# KiCad board JumperlessV5r8.kicad_pcb (continued)
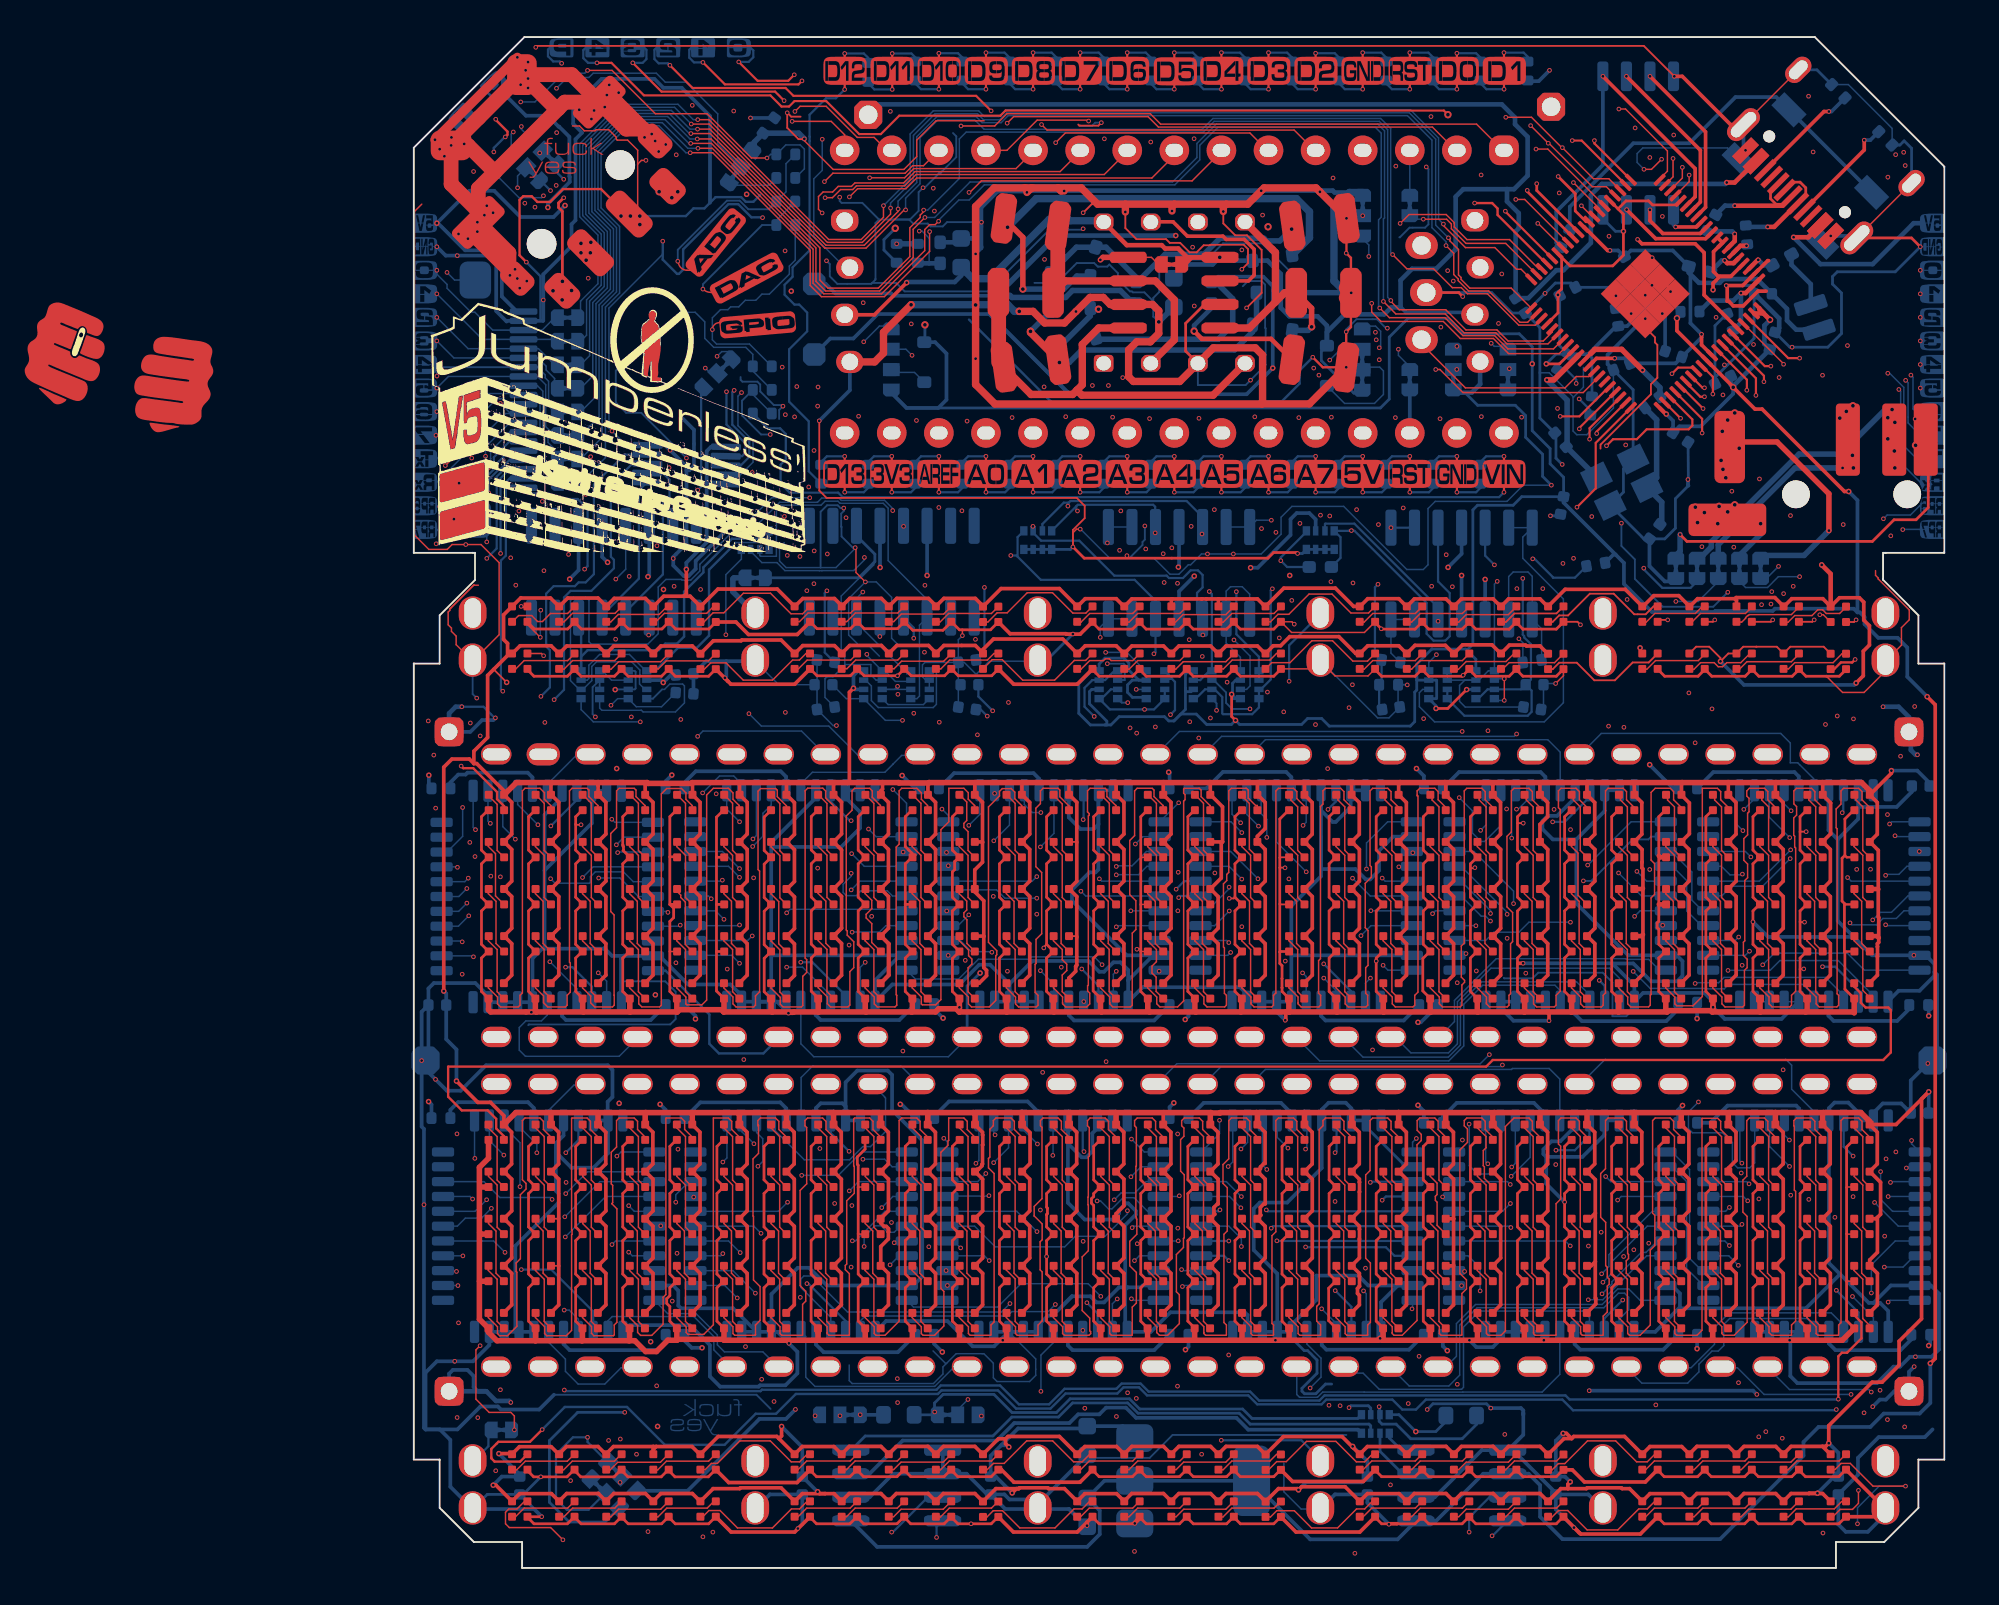
[diagram p0: board, top side]
## Routing (per net, layer and track width the routed paths; a pad name or vN(x,y) marks a point on that pad's centre or on a via; arc(x,y) is an arc through that point) (continued)
  Bottom w0.08: v1(43.98,36.71) 43.98,36.63 42.78,35.43 L1.27 ; JP23.2 6.92,66.75 J5.3 4.26,66.75 3.29,67.71 3.08,67.71 1.79,69 1.79,69.21 1.24,69.76 v1(1.24,69.97)
GPIO_21: length 132.3
  In1.Cu w0.08: v1(81.25,68.7) 79.88,70.08 66.78,70.08 66.24,70.61 60.3,70.61 59.56,71.35 56.55,71.35 55.69,72.21 55.11,72.21 54.95,72.37 53.46,72.37 53.3,72.21 51.93,72.21 50.94,71.22 45.61,71.22 45.46,71.07 v1(44.66,71.07) 44.57,71.16 42.67,71.16 42.4,70.89 41.54,70.89 41.42,71.01 30.63,71.01 30.52,71.12 26.52,71.12 26.39,70.99 25.89,70.99 25.77,71.11 21.77,71.11 19.34,68.69 18.68,68.69 18.17,68.18 17.21,68.18 16.94,67.9 15.79,67.9 13.74,69.95 11.7,69.95 9.53,67.79 2.16,67.79 v1(1.24,68.7)
  In2.Cu w0.08: v1(43.98,35.42) 44.45,35.9 44.45,36.98 44.12,37.31 44.12,44.43 44.81,45.12 44.81,62.77 45.69,63.66 45.69,70.12 44.74,71.07 v1(44.66,71.07)
  Bottom w0.08: v1(43.98,35.42) 43.19,34.63 L1.26 ; v1(1.24,68.7) 3.7,66.25 J5.4 7.49,66.25 JP24.2
GPIO_22: length 125.3
  In1.Cu w0.08: v1(1.24,67.43) 1.42,67.61 9.58,67.61 11.76,69.79 13.67,69.79 15.74,67.73 16.99,67.73 17.28,68.03 18.28,68.03 18.77,68.51 19.38,68.51 20.19,69.31 20.74,69.31 20.92,69.13 24.08,69.13 24.96,70.01 27.55,70.01 27.78,69.77 44,69.77 44.18,69.59 45.44,69.59 45.9,70.06 55.66,70.06 v1(55.76,69.95) 55.92,69.95 56.73,69.14 59.27,69.14 60.55,70.43 66.2,70.43 66.8,69.83 78.86,69.83 v1(81.25,67.43)
  In2.Cu w0.08: v1(53.88,38.57) 53.79,38.66 53.79,43.23 54.1,43.53 54.1,57.32 55.03,58.25 55.03,61.97 54.91,62.09 54.91,64.46 54.85,64.52 54.85,64.87 55.74,65.76 55.74,69.93 v1(55.76,69.95)
  Bottom w0.08: JP25.2 6.72,65.75 J5.5 2.93,65.75 v1(1.24,67.43)
GPIO_23: length 130.5
  In1.Cu w0.08: v1(1.24,66.17) 1.92,66.84 1.92,66.85 2.51,67.45 9.72,67.45 10.1,67.83 10.1,67.9 11.83,69.63 13.61,69.63 15.69,67.55 17.06,67.55 17.36,67.85 18.33,67.85 18.81,68.33 19.42,68.33 20.25,69.16 20.68,69.16 20.87,68.96 24.13,68.96 25.02,69.85 27.48,69.85 27.74,69.6 43.95,69.6 44.11,69.43 45.5,69.43 45.94,69.88 55.19,69.88 55.67,69.39 v1(56.07,69.39) 56.07,69.37 56.53,68.91 59.49,68.91 60.84,70.27 66.06,70.27 66.66,69.67 77.75,69.67 v1(81.25,66.16) ; v1(55.4,66.91) 55.4,66.86 56.26,66 56.26,65.96 56.17,65.87
  In2.Cu w0.08: v1(53.13,37.8) 53.59,38.26 53.59,43.45 53.85,43.71 53.85,57.3 54.88,58.33 54.88,61.91 54.64,62.14 54.64,65.02 55.54,65.92 55.54,66.77 v1(55.4,66.91) ; v1(56.07,69.39) 55.95,69.28 55.95,66.96 55.98,66.94 55.98,66.15 56.17,65.96 56.17,65.87
  Bottom w0.08: v1(1.24,66.17) 2.16,65.25 J5.6 6.69,65.25 7.14,64.8 7.14,64.6 7.59,64.14 JP26.2 ; L1.4 53.16,37.83 v1(53.13,37.8)
  vias: v1(56.26,65.87)
GPIO_24: length 133.3
  In1.Cu w0.08: v1(51.87,66.63) 51.6,66.37 26.69,66.37 26.39,66.67 23.79,66.67 23.63,66.5 21.84,66.5 21.7,66.37 20.8,66.37 ; v1(51.87,66.63) 51.89,66.65 ; v1(51.87,66.63) 52.09,66.63 52.19,66.53 ; 53.14,66.53 53.85,67.24 55.66,67.24 56.6,66.3 57.95,66.3 58.05,66.4 58.28,66.4 58.96,67.08 68.26,67.08 68.28,67.1 68.36,67.1 68.57,67.31 69.87,67.31 70.2,66.99 73.45,66.99 73.9,67.44 78.67,67.44 81.21,64.89 v1(81.25,64.89) ; 12.65,60.79 12.61,60.74 5.59,60.74 2.05,64.27 v1(1.25,64.27)
  In1.Cu w0.1: 20.8,66.37 20.8,66.37 20.48,66.04 17.91,66.04 12.65,60.79 ; 52.19,66.53 53.14,66.53
  In2.Cu w0.08: v1(52.23,37.2) 52.23,37.53 51.74,38.02 51.74,56.7 52.62,57.58 52.62,65.88 v1(51.87,66.63) 51.38,67.11 51.38,70.59 v1(51.51,70.72)
  Bottom w0.08: JP27.2 7.27,62.66 7.27,63.99 7.09,64.17 7.09,64.33 6.67,64.75 J5.7 ; v1(52.23,37.2) 52.4,37.03 L1.5 ; J7.7 1.25,64.89 v1(1.25,64.27) ; v1(51.51,70.72) 51.51,71.34 JP10.3
  Bottom w0.1: v1(1.25,64.27) 1.25,64.61 1.39,64.75 J5.7
GPIO_25: length 131
  In1.Cu w0.08: 51.91,66.21 52.01,66.21 53.01,65.21 56.08,65.21 56.91,66.04 58.11,66.04 v1(58.11,66.04) 58.32,66.04 59.14,66.86 68.34,66.86 68.63,67.15 69.81,67.15 70.13,66.83 73.52,66.83 73.97,67.28 78.31,67.28 81.25,64.34 v1(81.25,63.62) ; 51.91,66.21 51.91,66.22 v1(51.91,66.23) ; 51.91,66.21 26.63,66.21 26.33,66.51 23.85,66.51 23.69,66.35 21.9,66.35 21.76,66.21 20.87,66.21 20.54,65.88 18.3,65.88 ; v1(1.24,63.62) 2.25,63.62 5.29,60.58 12.68,60.58 17.98,65.88 18.29,65.88
  In2.Cu w0.08: v1(50.63,37.19) 50.63,37.58 51.13,38.08 51.13,56.77 52.14,57.78 52.14,64.6 51.84,64.91 51.84,66.15 v1(51.91,66.23)
  Bottom w0.08: JP9.3 58.27,65.87 v1(58.11,66.04) ; v1(1.24,63.62) 1.87,64.25 J5.8 6.67,64.25 7.12,63.8 7.12,61.55 JP28.2 ; L1.6 51.59,36.23 v1(50.63,37.19)
GPIO_26: length 133.9
  In1.Cu w0.08: 51.73,66.05 52.73,65.05 56.14,65.05 56.88,65.79 58.5,65.79 59.41,66.7 68.41,66.7 68.7,66.99 69.74,66.99 70.06,66.67 73.65,66.67 74.1,67.12 77.96,67.12 v1(80.75,64.32) ; 51.73,66.05 26.57,66.05 26.26,66.36 23.92,66.36 23.76,66.2 21.97,66.2 21.82,66.05 20.93,66.05 20.6,65.72 18.06,65.72 12.75,60.41 5.03,60.41 3.08,62.35 v1(1.24,62.35) ; 51.73,66.05 51.98,65.8 v1(52.07,65.8)
  In2.Cu w0.08: v1(52.07,65.8) 52.46,65.41 52.46,57.65 51.57,56.76 51.57,37.96 51.69,37.84 51.69,37.62 51.66,37.59 51.66,35.48 v1(51.62,35.44)
  Bottom w0.08: v1(80.75,64.32) 80.86,64.21 80.86,62.5 81,62.35 J8.9 ; v1(51.62,35.44) 51.63,35.43 L1.7 ; JP29.2 7.59,60.33 7.24,60.69 7.24,61.09 6.96,61.37 6.96,63.46 6.67,63.75 J5.9 2.64,63.75 v1(1.24,62.35) ; v1(52.07,65.8) 52.15,65.87 52.15,66.69 51.87,66.96 JP2.3
GPIO_27: length 136.8
  In1.Cu w0.08: v1(80.46,64.04) 77.56,66.95 74.2,66.95 73.76,66.51 69.97,66.51 69.69,66.79 68.73,66.79 68.47,66.54 60.52,66.54 58.23,64.24 57.03,64.24 56.38,64.89 52.33,64.89 v1(52.07,65.15) 51.34,65.89 26.5,65.89 26.27,66.12 v1(24.27,66.12) 23.91,66.12 23.84,66.04 22.03,66.04 21.88,65.89 21.01,65.89 20.69,65.57 18.12,65.57 12.76,60.21 2.07,60.21 v1(1.2,61.07)
  In2.Cu w0.08: v1(51.09,34.1) 51.19,34.2 51.19,37.46 51.11,37.54 51.11,37.84 51.29,38.02 51.29,56.71 52.3,57.71 52.3,64.93 v1(52.07,65.15)
  Bottom w0.08: v1(51.09,34.1) 51.63,34.63 L1.8 ; JP1.3 25.12,66.97 v1(24.27,66.12) ; v1(1.2,61.07) 3.45,63.33 5.84,63.33 J5.10 6.67,63.25 6.81,63.11 6.81,61.2 7.07,60.93 7.07,59.05 JP30.2 ; J8.10 80.6,61.74 80.6,63.91 v1(80.46,64.04)
HI: length 50.1
  In1.Cu w0.08: v1(41.2,23.4) 41.45,23.65 80.18,23.65 v1(80.78,23.05)
  In2.Cu w0.08: v1(40.2,32.18) 40.61,31.77 40.61,29.5 41.05,29.07 41.05,25.61 41.3,25.36 41.3,23.5 v1(41.2,23.4)
  Bottom w0.08: I1.11 40.2,32.21 v1(40.2,32.18) ; H1.1 80.78,22.87 v1(80.78,23.05)
HJ: length 64.7
  In1.Cu w0.08: 51.74,7.94 51.76,7.92 79.41,7.92 v1(79.48,8)
  In1.Cu w0.1: 51.74,7.94 51.57,8.12 37.95,8.12 v1(37.9,8.17)
  In2.Cu w0.08: v1(79.48,8) 79.58,8.09 79.58,10.14 80.09,10.65 80.09,12.33 80.29,12.53 80.29,21.35 v1(80.5,21.57) ; v1(38.71,14.51) 38.75,14.46 38.75,9.3 37.9,8.44 v1(37.9,8.17)
  Bottom w0.08: v1(38.71,14.51) 38.79,14.43 J6.11 ; H1.2 80.57,21.63 v1(80.5,21.57)
HK: length 44.2
  In1.Cu w0.08: v1(53.64,8.86) 53.83,9.06 76.51,9.06 76.73,8.84 78.34,8.84 v1(79.08,9.58)
  In2.Cu w0.08: v1(53.84,13.97) 53.84,9.07 v1(53.64,8.86) ; v1(79.08,9.58) 79.08,10.16 79.43,10.5 79.43,12.71 79.83,13.11 79.83,19.72 v1(79.52,20.03)
  Bottom w0.08: v1(53.84,13.97) 53.87,14 K1.11 ; v1(79.52,20.03) 79.52,20.03 H1.4
HL: length 37.4
  In1.Cu w0.08: v1(52.28,32.5) 59.57,32.5 59.72,32.34 59.94,32.34 60.1,32.5 v1(71.65,32.5)
  In2.Cu w0.08: v1(71.65,32.5) 71.73,32.42 71.73,22.63 72.15,22.2 72.15,21.42 71.64,20.91 v1(71.64,18.53)
  Bottom w0.08: v1(71.64,18.53) 71.54,18.43 H1.28 ; v1(52.28,32.5) 52.54,32.23 L1.11
I2C_SCL: length 207
  Top w0.12: U5.2 65.36,74.6 62.99,76.97 v1(62.48,76.97)
  In1.Cu w0.12: v1(58.16,1.73) 57.96,1.53 28.31,1.53 v1(28.2,1.64) 28.08,1.53 15.74,1.53 v1(15.6,1.68) ; v1(62.7,63.87) 62.5,63.68 38.25,63.68 37.84,64.09 33.8,64.09 33.16,63.45 22.75,63.45 22.11,64.09 17.41,64.09 16.87,63.54 v1(16.87,63.43) 16.87,62.91 13.9,59.94 9.56,59.94 v1(9.54,59.92)
  In2.Cu w0.12: v1(9.54,59.92) 8.69,60.77 8.69,67.99 10.78,70.08 10.78,72.54 8.44,74.88 v1(8.09,74.88) ; v1(62.48,76.97) 62.25,76.74 62.25,64.53 62.7,64.08 v1(62.7,63.87) ; v1(16.87,63.43) 16.87,62.95 18.13,61.68 18.13,60.65 18.59,60.18 18.59,54.32 15.84,51.57 15.84,37.44 15.39,36.98 15.39,34.76 15.86,34.29 15.86,11.5 15.82,11.46 15.82,1.91 v1(15.6,1.68)
  Bottom w0.12: v1(58.16,1.73) 58.18,1.73 58.99,2.54 ; v1(16.87,63.43) 16.87,61.66 17.89,60.63 17.89,60.14 17.7,59.95 U1806.2 ; v1(62.7,63.87) 62.7,64.08 62.18,64.6 R26.2 ; v1(28.2,1.64) 28.2,2.23 28.51,2.54 ; v1(8.09,74.88) 7.77,75.2 U6.1
I2C_SDA: length 209.6
  Top w0.12: U5.1 65.64,74.86 63.68,76.82 v1(63.68,76.97)
  In1.Cu w0.12: v1(62.86,63.04) 62.77,63.12 62.74,63.09 38.01,63.09 37.9,63.2 22.59,63.2 22.5,63.3 18.17,63.3 17.8,63.67 17.44,63.67 v1(17.28,63.5) 17.28,62.91 13.95,59.59 13.95,59.52 v1(13.77,59.33) ; v1(56.92,1.93) v1(25.77,1.93) 25.69,1.84 16.22,1.84 v1(16.13,1.93)
  In2.Cu w0.12: v1(17.28,63.5) 17.28,62.96 18.45,61.79 18.45,60.71 18.85,60.31 18.85,54.18 16.05,51.37 16.05,37.36 15.69,37 15.69,34.99 16.05,34.63 16.05,2.01 v1(16.13,1.93) ; v1(63.68,76.97) 63.65,76.94 63.65,63.83 v1(62.86,63.04) ; v1(13.77,59.33) 10.75,59.33 10.49,59.59 9.47,59.59 8.5,60.56 8.5,68.07 10.37,69.95 10.37,71.68 8.95,73.1 8.95,73.79 8.47,74.27 v1(7.38,74.27)
  Bottom w0.12: U6.2 6.93,74.72 v1(7.38,74.27) ; v1(62.86,63.04) 63.46,62.44 R27.2 ; 28.51,3.81 27.72,3.81 25.84,1.93 v1(25.77,1.93) ; v1(17.28,63.5) 17.18,63.4 17.18,61.65 18.09,60.73 18.09,59.91 17.63,59.45 U1806.3 ; 58.99,3.81 58.02,3.81 56.92,2.72 v1(56.92,1.93)
IJ: length 18.4
  In2.Cu w0.08: v1(28.82,33.03) 28.87,32.98 28.87,29.54 28.52,29.19 28.52,23.78 28.85,23.46 28.85,22.71 28.47,22.34 28.47,17.8 28.43,17.75 28.43,15.58 v1(28.78,15.23)
  Bottom w0.08: I1.24 28.83,33.03 v1(28.82,33.03)
IK: length 30
  In2.Cu w0.08: v1(41.46,15.17) 41.39,15.25 41.39,15.45 41.35,15.49 41.35,15.7 41.26,15.79 41.06,15.79 41.06,16.49 41.49,16.93 41.49,19.05 40.97,19.57 40.97,20.78 41.55,21.37 41.55,25.41 41.25,25.71 41.25,29.09 40.77,29.57 40.77,40.77 v1(41.26,41.26)
  Bottom w0.08: v1(41.46,15.17) 41.51,15.23 K1.24 ; I1.1 v1(41.26,41.26)
IL: length 17.3
  In1.Cu w0.08: v1(31.18,33.2) 31.85,33.87 43.81,33.87 v1(43.96,33.72)
  Bottom w0.08: L1.25 43.85,33.83 v1(43.96,33.72) ; v1(31.18,33.2) 31.15,33.23 30.07,33.23 29.47,33.83 I1.25
JK: length 18
  In1.Cu w0.08: v1(54.07,23.16) 54.04,23.12 v1(38.71,23.12)
  Bottom w0.08: v1(54.07,23.16) 53.87,22.96 K1.1 ; v1(38.71,23.12) 39.4,22.43 J6.1
JL: length 33.6
  In1.Cu w0.08: v1(29.75,32.76) 29.81,32.83 30.75,32.83 30.81,32.78 43.64,32.78 v1(44.06,33.19)
  In2.Cu w0.08: v1(28.71,16.04) 28.96,16.29 28.96,22.6 29,22.65 29,23.61 28.7,23.92 28.7,29.14 29.75,30.18 v1(29.75,32.76)
  Bottom w0.08: L1.24 43.9,33.03 v1(44.06,33.19)
KL: length 37.6
  In1.Cu w0.08: v1(51.33,16.17) 51.13,15.96 41.54,15.96 v1(41.41,16.09)
  In2.Cu w0.08: v1(51.33,16.17) 51.33,16.17 51.33,20.9 51.16,21.07 51.16,29.14 50.65,29.65 50.65,33 51.35,33.71 51.35,37.65 v1(51.39,37.69)
  Bottom w0.08: K1.25 41.47,16.03 v1(41.41,16.09) ; v1(51.39,37.69) 51.39,39.09 52.53,40.23 L1.1
LDAC: length 69.8
  Top w0.08: U5.6 64.23,73.44 61.16,76.51 v1(60.53,76.51)
  In1.Cu w0.08: v1(61.69,62.53) 61.29,62.92 37.94,62.92 37.83,63.03 22.52,63.03 22.42,63.12 20.73,63.12 20.72,63.11 17.95,63.11 v1(17.68,63.38)
  In2.Cu w0.08: v1(60.53,76.51) 61.37,75.67 61.37,64.42 61.69,64.11 v1(61.69,62.53)
  Bottom w0.08: v1(17.68,63.38) 17.49,63.19 17.49,61.6 18.3,60.78 18.3,59.63 17.62,58.95 U1806.4
LED_60_OUT: length 139.5
  Top w0.13: v1(76.84,9.1) 76.84,11.41 77.03,11.6 77.3,11.6 78.08,12.38 78.08,13.24 77.69,13.63 D1605.1
  In1.Cu w0.12: v1(15.32,58.12) 14.71,57.51 14.45,57.51
  In1.Cu w0.13: v1(6.93,57.51) 14.45,57.51
  In2.Cu w0.13: v1(6.93,57.51) 7.77,56.67 7.77,54.62 7.95,54.44 7.98,54.44 8.76,53.65 8.76,51.77 8.07,51.07 8.07,32.86 7.81,32.61 7.81,31.41 8.25,30.98 8.25,23 7.84,22.6 7.84,13.07 8.05,12.86 8.05,9.66 v1(8.12,9.59)
  Bottom w0.12: v1(15.32,58.12) 15.5,58.31 JP20.3
  Bottom w0.13: v1(76.84,9.1) 76.82,9.08 62.33,9.08 62.12,9.3 49.12,9.3 48.84,9.02 45.59,9.02 45.11,9.51 39.63,9.51 39.2,9.94 38.18,9.94 37.9,9.66 35.1,9.66 34.26,8.82 32.64,8.82 31.62,9.84 28.42,9.84 28.19,9.61 18.78,9.61 18.7,9.53 8.18,9.53 v1(8.12,9.59)
LED_DATA_OUT: length 94.5
  Top w0.13: U5.17 61.09,70.33 58.46,72.96 58.46,73.31 58.16,73.6 v1(57.22,73.6) ; v1(2.55,43.24) 2.67,43.12 3.21,43.12 4.49,41.84 4.49,41.45 4.87,41.07 D1011.4
  In1.Cu w0.13: v1(6.54,73.38) 6.87,73.05 10.04,73.05 10.45,73.46 14.26,73.46 14.82,74.02 17.26,74.02 17.76,73.51 23.89,73.51 24.32,73.94 26.68,73.94 26.96,73.66 35.51,73.66 35.51,73.66 57.16,73.66 v1(57.22,73.6)
  In2.Cu w0.13: v1(2.55,43.24) 3.28,43.96 3.28,44.94 3.5,45.17 4.88,45.17 5.32,45.61 5.32,47.86 4.69,48.5 4.69,53.45 5.57,54.33 5.57,54.76 4.99,55.34 4.99,62.81 4.92,62.88 4.92,70.47 5.79,71.35 5.79,72.64 v1(6.54,73.38)
LED_OUT_PROBE: length 29.2
  Top w0.08: v1(67.92,76) 67.92,75.01 U5.79
  In2.Cu w0.08: v1(67.92,76) 67.92,72.96 69.19,71.69 69.19,58.73 68.55,58.1 68.55,52.56 68.11,52.12 v1(68.07,52.12)
  Bottom w0.08: JP15.1 69.28,52.12 v1(68.07,52.12)
LED_OUT_TOP: length 73.8
  Top w0.08: v1(65,78.67) 65.35,78.67 67.61,76.41 67.61,75.32 67.2,74.9 U5.80
  In2.Cu w0.08: v1(65,78.67) 64.25,77.93 62.59,77.93 62.42,77.76 60.83,77.76 59.36,79.23 25.45,79.23 25.38,79.31 23.21,79.31 23.14,79.23 22.78,79.23 20.98,81.03 18.08,81.03 16.87,79.81 16.87,75.24 13.82,72.19 13.82,69.53 14.07,69.27 14.33,69.27 15.42,68.18 15.42,65.01 v1(15.72,64.7)
  Bottom w0.08: JP20.2 16,64.42 v1(15.72,64.7)
LED_RAILS_IN: length 24.7
  Top w0.08: v1(5.79,51.85) 5.88,51.85 6,51.72
  In1.Cu w0.08: v1(15.47,52.76) 14.83,52.13 8.99,52.13 8.93,52.19 6.13,52.19 v1(5.79,51.85)
  In2.Cu w0.08: v1(15.47,52.76) 16.36,53.65 16.36,60.53 16.09,60.8 16.09,63.91 16.36,64.18 v1(16.36,65.34)
  Bottom w0.08: v1(16.36,65.34) 16.61,65.59 16.98,65.59 JP20.1
NANO_3V3: length 5.9
  In2.Cu w0.08: A1.17 25.78,64.29 v1(26.87,65.39)
  Bottom w0.08: JP1.2 26.54,65.72 v1(26.87,65.39)
NANO_5V: length 7.1
  Top w0.2: 51.5,61.46 51.18,61.14
  In2.Cu w0.2: A1.27 51.18,63.36 v1(49.4,65.13)
  Bottom w0.08: JP2.2 49.98,65.71 v1(49.4,65.13)
NANO_~{RESET}_0: length 88.2
  In1.Cu w0.08: v1(23.31,56.63) 23.33,56.63 23.77,56.19 25.8,56.19 26.29,56.68 34.58,56.68 34.89,56.37 35.67,56.37 35.78,56.48 38.99,56.48 39.19,56.68 41.39,56.68 42.04,57.33 53.19,57.33 v1(53.37,57.16)
  In2.Cu w0.08: v1(21.65,8.2) 23.37,9.93 23.37,11.97 23.01,12.33 23.01,25.04 23.45,25.47 23.45,30.11 23.09,30.46 23.09,43.2 23.35,43.46 23.35,47.11 23.22,47.24 23.22,56.54 v1(23.31,56.63) ; v1(53.37,57.16) 53.48,57.16 54.72,58.4 54.72,59.71 53.72,60.71 53.72,61.14
  Bottom w0.08: v1(21.65,8.2) 21.69,8.2 JP5.3
  Bottom w0.2: JP7.1 53.72,61.14
NANO_~{RESET}_1: length 126.8
  In1.Cu w0.08: v1(66.67,76.06) 60.25,76.06 59.35,75.15 58.02,75.15 57.81,75.36 55.31,75.36 54.29,76.38 53.72,76.38 ; v1(66.99,8.79) 66.48,8.28 38.79,8.28 38.59,8.48 37.46,8.48 37.06,8.07 30.73,8.07 v1(30.61,8.19)
  In2.Cu w0.08: v1(66.67,76.06) 67.05,75.68 67.05,52.91 66.89,52.75 63.59,52.75 62.66,51.82 62.66,48.65 66.8,44.51 66.8,43.61 67.53,42.88 67.53,35.23 67.6,35.16 67.6,34.26 66.85,33.51 66.85,26.79 66.85,26.79 66.85,25.59 66.85,25.58 66.85,18.32 67.09,18.08 67.09,12.3 66.7,11.91 66.7,9.92 67,9.62 67,8.8 v1(66.99,8.79)
  Bottom w0.08: 53.72,76.38 JP8.1
OLED_SCL: length 59.3
  In1.Cu w0.08: J9.2 56.7,70.13 56.59,70.23 45.8,70.23 45.31,69.74 44.3,69.74 44.12,69.92 27.85,69.92 27.61,70.16 23.57,70.16 J10.2 ; v1(22.03,77.04) 22.03,77.19 21.86,77.36 17.7,77.36 17.25,76.91 16.72,76.91 15.76,75.95 12.99,75.95 12.15,76.79 10.27,76.79 9.79,76.3 v1(6.79,76.3)
  Bottom w0.08: v1(22.03,77.04) 22.03,75.36 21.57,74.91 21.57,71.81 23.27,70.11 J10.2 ; U6.6 6.91,76.42 v1(6.79,76.3)
OLED_SDA: length 56.5
  In1.Cu w0.08: J9.1 56.35,72.67 55.54,73.48 26.89,73.48 26.63,73.74 25.07,73.74 23.98,72.65 J10.1 21.98,72.65 21.33,73.31 17.71,73.31 17.26,73.76 15,73.76 14.49,73.26 10.63,73.26 10.17,72.8 6.08,72.8 5.6,73.28 v1(5.6,74.42)
  Bottom w0.08: 22.87,73.03 J10.1 ; v1(5.6,74.42) 5.6,75.06 U6.3
OSC: length 9.5
  Top w0.2: 39.76,72.59 40.95,72.59 41.73,71.81 43.64,71.81 43.82,71.64 44.79,71.64 45.32,71.11 45.32,69.71 45.02,69.4 43.5,69.4
POWER_SUPPLY_SENSE_BUFFERED: length 45.4
  Top w0.08: v1(73.88,64.91) 73.88,64.93 71.73,67.08 U5.57
  In1.Cu w0.08: v1(73.88,52.54) 73.19,53.23 72.2,53.23 72,53.43 63.38,53.43 63.06,53.11 58.53,53.11 v1(58.44,53.2)
  In2.Cu w0.08: v1(73.88,52.54) 73.92,52.58 73.92,54.23 73.46,54.7 73.46,61.12 73.92,61.58 73.92,64.87 v1(73.88,64.91)
  Bottom w0.08: RN7.1 RN7.2 RN6.7 ; RN6.7 57.45,47.88 57.95,48.38 RN6.1 58.29,53.05 v1(58.44,53.2) ; RN6.7 56.69,47.88 56.4,47.59 56.4,46.73 56.71,46.42 C23.1
Probe_Button: length 40
  Top w0.08: v1(62.55,74.7) 63.95,73.3 U5.7
  In1.Cu w0.08: v1(74.75,53.45) 74.53,53.67 73.03,53.67 72.71,53.99 66.64,53.99 66.45,54.18 61.99,54.18 v1(61.98,54.17)
  In2.Cu w0.08: v1(62.55,74.7) 62.55,64.58 63.03,64.1 63.03,63.81 62.4,63.18 62.4,57.46 61.98,57.05 v1(61.98,54.17)
  Bottom w0.08: JP16.1 71.83,52.87 73.02,52.87 73.6,53.45 v1(74.75,53.45)
Probe_Probe: length 32.9
  Top w0.08: U5.8 63.55,72.88 v1(62.98,73.45)
  In1.Cu w0.08: v1(62.55,54.44) 62.66,54.33 66.51,54.33 66.6,54.25 73.37,54.25 v1(73.61,54.01)
  In2.Cu w0.08: v1(62.55,54.44) 62.47,54.52 62.47,57.31 62.56,57.4 62.56,63.11 63.19,63.74 63.19,73.24 v1(62.98,73.45)
  Bottom w0.08: v1(73.61,54.01) 72.8,53.2 JP17.1
R_SENSE+: length 134.5
  In1.Cu w0.2: v2(13.47,52.76) 13.26,52.55 9.17,52.55 v2(8.41,53.32) ; v2(54.04,7.35) 53.99,7.4 51.39,7.4 51.22,7.57 20.63,7.57 20.22,7.98 19.28,7.98 18.9,7.6 13.18,7.6 v2(13.15,7.63)
  In2.Cu w0.2: v2(8.41,53.32) 5.24,56.49 5.24,62.92 5.21,62.95 5.21,67.14 8.45,70.37 8.45,72.24 7.33,73.36 v2(7.23,73.36) ; v2(13.47,52.76) 13.46,52.75 v2(13.46,47.74) 13.5,47.7 13.5,41.73 13.39,41.62 13.39,34.46 13.42,34.44 13.42,25.44 13.71,25.15 13.71,18.26 13.43,17.98 13.43,7.91 v2(13.15,7.63)
  Bottom w0.15: 52.66,8.22 RN2.8 53.13,8.26 v2(54.04,7.35) ; v2(54.04,7.35) 55.12,7.35 55.67,7.9 R57.1 ; v2(54.04,7.35) 54.05,7.36
  Bottom w0.2: v2(7.23,73.36) 7.23,73.56 8.41,74.74 8.41,75.02 8.39,75.04 8.39,77.17 7.84,77.72 7.81,77.72 7.22,78.31 6.05,78.31 4.8,79.56 NOREF#2.3 ; U10.3 8.89,53.8 v2(8.41,53.32) ; 54.04,7.35 v2(54.04,7.35) ; 55.67,7.98 R57.1 ; RN8.2 13.32,47.88 v2(13.46,47.74) 13.86,48.15 C15.1
RESET: length 225.6
  Top w0.12: U5.16 58.87,73.14 v1(58.87,73.16)
  In1.Cu w0.12: v1(77.63,22.21) 77.31,22.52 v1(61.6,22.52) 61.59,22.51 49.81,22.51 v1(49.69,22.39) 49.61,22.32 36.28,22.32 v1(36.15,22.45) 34.67,22.45 34.59,22.53 34.35,22.53 34.27,22.45 33.65,22.45 33.59,22.52 24,22.52 23.95,22.46 v1(23.48,22.46) 23.32,22.31 22.41,22.31 22.39,22.29 18.48,22.29 18.31,22.46 14.53,22.46 14.37,22.3 14.13,22.3 13.96,22.46 13.96,22.49 13.91,22.55 8.35,22.55 v1(8.2,22.39) ; v1(77.05,40.72) 76.65,40.33 61.53,40.33 v1(61.43,40.23) 61.39,40.27 61.01,40.27 60.58,39.84 59.67,39.84 59.58,39.93 58.36,39.93 58.02,40.27 49.95,40.27 v1(49.31,40.9) 48.84,40.43 44.71,40.43 44.67,40.47 44.47,40.47 44.32,40.32 36.13,40.32 v1(36.1,40.35) 36.05,40.3 30.76,40.3 30.44,40.62 24.65,40.62 24.33,40.3 v1(23.59,40.3) 23.17,40.72 8.1,40.72 v1(7.39,40.01)
  In2.Cu w0.12: v1(61.6,22.52) 61.49,22.64 61.49,40.16 v1(61.43,40.23) 61.91,40.71 61.91,41.26 61.37,41.8 61.37,44.58 60.44,45.51 60.44,54.59 ; 60.44,54.59 60.44,64.28 59.75,64.97 59.75,72.24 58.87,73.12 v1(58.87,73.16) ; 60.44,54.59 60.44,54.51 v1(60.35,54.41)
  Bottom w0.12: v1(7.39,40.01) 8.8,41.42 A2.41 ; v1(49.31,40.9) 49.73,41.33 L1.41 ; v1(8.2,22.39) 8.88,23.07 E1.41 ; v1(36.1,40.35) 36.13,40.38 I1.41 ; v1(23.59,40.3) 23.51,40.3 22.48,41.33 B1.41 ; C26.41 63.43,41.59 62.08,40.23 v1(61.43,40.23) ; G1.41 63.41,23.31 62.62,22.52 v1(61.6,22.52) ; v1(36.15,22.45) 36.08,22.52 J6.41 ; v1(23.48,22.46) 22.49,23.45 F5.41 ; 77.1,41.94 77.1,40.78 v1(77.05,40.72) ; v1(77.63,22.21) 77.12,22.71 H1.41 ; v1(49.69,22.39) 49.77,22.48 K1.41 ; R3.2 62.63,53.4 61.44,53.4 61.44,53.42 60.45,54.41 v1(60.35,54.41)
ROUTABLE_BUFFER_IN: length 66.5
  In1.Cu w0.12: v1(43.18,57.07) v1(50.85,57.07)
  In2.Cu w0.12: v1(50.85,57.07) 50.85,56.22 v1(50.57,55.94) ; v1(43.18,57.07) 43.58,56.67 43.58,37.46 43.55,37.43 43.54,37.43 43.43,37.31 43.43,29.75 43.74,29.45 43.74,23.39 43.47,23.13 43.47,23.12 43.45,23.09 43.45,19.34 v1(43.48,19.31)
  Bottom w0.12: U7.3 55.25,53.2 55.87,52.57 55.87,50.24 55.63,50 55,50 54.63,50.37 54.63,52.03 50.74,55.92 50.42,55.92 ; 50.42,55.92 RN15.8 49.98,55.58 49.98,54.47 R88.1 ; 50.42,55.92 50.56,55.92 v1(50.57,55.94) ; v1(43.48,19.31) 43.41,19.23 K1.29
ROUTABLE_BUFFER_OUT: length 35.2
  In1.Cu w0.12: v1(49.47,53.18) 49.46,53.17 41.27,53.17 v1(41.19,53.1) ; v1(52.7,56.1) 52.08,56.73 v1(49.4,56.73)
  In2.Cu w0.12: v1(49.4,56.73) 49.47,56.66 v1(49.47,53.18) ; v1(41.19,53.1) 41.08,52.98 41.08,43.27 41.62,42.73 41.62,37.1 v1(41.12,36.6)
  Bottom w0.12: v1(41.12,36.6) 41.55,37.03 L1.29 ; v1(52.7,56.1) U7.2 ; 49.49,53.21 v1(49.47,53.18)
RP_GPIO_20: length 76.7
  Top w0.08: v1(15.32,78.1) 15.92,78.1 22.38,71.63 24.13,71.63 25.33,72.84 v1(25.33,73.46) ; v1(55.53,72.47) 55.53,72.39 56.72,71.2 58.31,71.2 59.48,70.03 59.73,70.03 60.27,69.48 U5.20
  Bottom w0.08: v1(25.33,73.46) 26.77,74.9 26.77,77.33 28.02,78.57 30.47,78.57 30.77,78.26 31.56,78.26 31.91,78.62 53.76,78.62 55.27,77.11 55.27,72.73 v1(55.53,72.47) ; JP23.1 8.99,68.31 9.93,69.25 9.93,71.87 8.95,72.86 8.95,76.79 11.09,78.93 14.25,78.93 15.08,78.1 v1(15.32,78.1)
RP_GPIO_21: length 79.4
  Top w0.08: v1(14.96,77.86) 14.97,77.86 15.93,77.86 22.31,71.48 24.19,71.48 25.71,73 v1(25.71,73.33) ; v1(55.81,71.72) 55.85,71.72 55.89,71.68 55.89,71.56 56.35,71.1 56.35,69.73 56.49,69.59 56.49,69.48 56.96,69.01 59.19,69.01 U5.21
  Bottom w0.08: v1(55.81,71.72) 55.12,72.41 55.12,77.05 53.7,78.47 31.98,78.47 31.6,78.09 30.73,78.09 30.4,78.42 28.12,78.42 26.95,77.25 26.95,74.84 25.71,73.6 v1(25.71,73.33) ; v1(14.96,77.86) 14.06,78.76 11.16,78.76 9.11,76.72 9.11,72.92 10.11,71.93 10.11,69.17 9.32,68.38 9.32,66.47 JP24.1
RP_GPIO_22: length 81.2
  Top w0.08: v1(55.67,71.31) 56.09,70.89 56.09,69.74 56.33,69.5 56.33,69.42 56.89,68.86 57.97,68.86 59.66,67.17 60.08,67.17 U5.22 ; v1(15.31,77.59) 15.97,77.59 22.23,71.33 24.3,71.33 26.12,73.15 v1(26.12,73.28)
  Bottom w0.08: JP25.1 9.48,65.37 9.48,68.31 10.27,69.1 10.27,72 9.28,72.99 9.28,76.65 11.22,78.6 13.89,78.6 14.9,77.59 v1(15.31,77.59) ; v1(26.12,73.28) 26.12,73.7 27.13,74.71 27.13,77.17 28.22,78.26 30.33,78.26 30.66,77.93 31.68,77.93 32.06,78.31 53.6,78.31 54.91,76.99 54.91,72.28 55.67,71.52 v1(55.67,71.31)
RP_GPIO_23: length 83
  Top w0.08: v1(14.95,77.35) 15.99,77.35 22.17,71.17 24.39,71.17 26.45,73.23 v1(26.53,73.23) ; v1(52.79,70.82) 53.56,70.06 55,70.06 56.02,69.04 56.5,69.04 56.83,68.71 57.91,68.71 59.6,67.02 60.49,67.02 U5.23
  Bottom w0.08: v1(14.95,77.35) 14.86,77.35 13.78,78.43 11.29,78.43 9.44,76.58 9.44,73.06 10.44,72.06 10.44,69.02 9.65,68.23 9.65,64.27 JP26.1 ; v1(26.53,73.23) 26.53,73.86 27.31,74.64 27.31,77.12 28.27,78.09 30.25,78.09 30.76,77.58 42.52,77.58 43.1,78.16 52.15,78.16 52.69,77.62 52.69,70.93 v1(52.79,70.82)
RP_GPIO_24: length 89.2
  Top w0.08: v1(15.29,77.06) 16.03,77.06 21.9,71.18 21.9,69.45 22.34,69.01 25.05,69.01 26.76,70.72 26.76,72.27 27.31,72.82 27.31,72.95 27.5,73.13 v1(27.5,73.22) ; v1(52.7,68.35) 52.7,68.3 53.15,67.85 55.66,67.85 56.75,66.76 58.42,66.76 59.02,66.16 60.92,66.16 61.4,66.64 U5.25
  Bottom w0.08: v1(52.7,68.35) 52.53,68.52 52.53,77.55 52.07,78.01 43.17,78.01 42.59,77.43 29.79,77.43 29.42,77.06 29.42,74.92 27.72,73.22 v1(27.5,73.22) ; v1(15.29,77.06) 14.9,77.06 13.69,78.27 11.36,78.27 9.61,76.51 9.61,73.13 10.6,72.14 10.6,68.95 9.83,68.17 9.83,63.17 JP27.1
RP_GPIO_25: length 89.7
  Top w0.08: v1(14.94,76.82) 16.05,76.82 21.69,71.18 21.69,69.38 22.21,68.86 25.13,68.86 26.93,70.66 26.93,72.19 v1(27.57,72.82) ; v1(52.3,68.29) 52.97,67.62 55.63,67.62 56.65,66.6 58.36,66.6 58.96,66.01 61.18,66.01 U5.26
  Bottom w0.08: v1(14.94,76.82) 14.84,76.82 13.56,78.1 11.43,78.1 9.77,76.45 9.77,73.2 10.77,72.2 10.77,68.88 9.99,68.11 9.99,62.07 JP28.1 ; v1(52.3,68.29) 52.3,72.74 52.36,72.8 52.36,77.49 52,77.85 43.28,77.85 42.24,76.82 42.24,76.05 40.92,74.74 30,74.74 28.09,72.82 v1(27.57,72.82)
RP_GPIO_26: length 91.1
  Top w0.08: U5.27 61.47,65.74 59.01,65.74 58.3,66.45 56.58,66.45 55.62,67.42 52.62,67.42 v1(52.1,67.94) ; v1(28.31,72.62) 28.12,72.43 27.82,72.43 27.56,72.17 27.56,71.04 25.23,68.71 22.11,68.71 21.54,69.28 21.54,71.12 16.1,76.55 v1(15.33,76.55)
  Bottom w0.08: JP29.1 10.16,60.96 10.16,68.04 10.93,68.81 10.93,72.27 9.94,73.27 9.94,76.38 11.5,77.94 13.4,77.94 14.78,76.55 v1(15.33,76.55) ; v1(52.1,67.94) 52.04,68 52.04,72.69 52.18,72.84 52.18,77.37 51.87,77.68 43.36,77.68 42.39,76.72 42.39,75.93 41.05,74.58 30.77,74.58 29.95,73.76 29.4,73.76 28.31,72.67 v1(28.31,72.62)
RP_GPIO_27: length 96.6
  Top w0.08: v1(51.67,68.19) 51.67,67.72 52.17,67.22 55.53,67.22 56.45,66.3 58.23,66.3 59.04,65.48 61.78,65.48 U5.28 ; v1(27.82,72.06) 27.82,71 25.38,68.55 21.99,68.55 21.38,69.16 21.38,71.05 16.12,76.31 v1(14.91,76.31)
  In2.Cu w0.08: v1(27.82,72.06) 27.82,72.52 28.37,73.07 28.37,73.31 29.39,74.33 29.39,77.2 29.08,77.5 29.08,77.88 30.02,78.82 50.37,78.82 52.36,76.83 52.36,68.89 v1(51.67,68.19)
  Bottom w0.08: v1(14.91,76.31) 14.68,76.31 13.22,77.77 11.56,77.77 10.1,76.31 10.1,73.34 11.1,72.34 11.1,68.75 10.34,67.98 10.34,59.87 JP30.1
